# KiCad board backplane.kicad_pcb (continued)
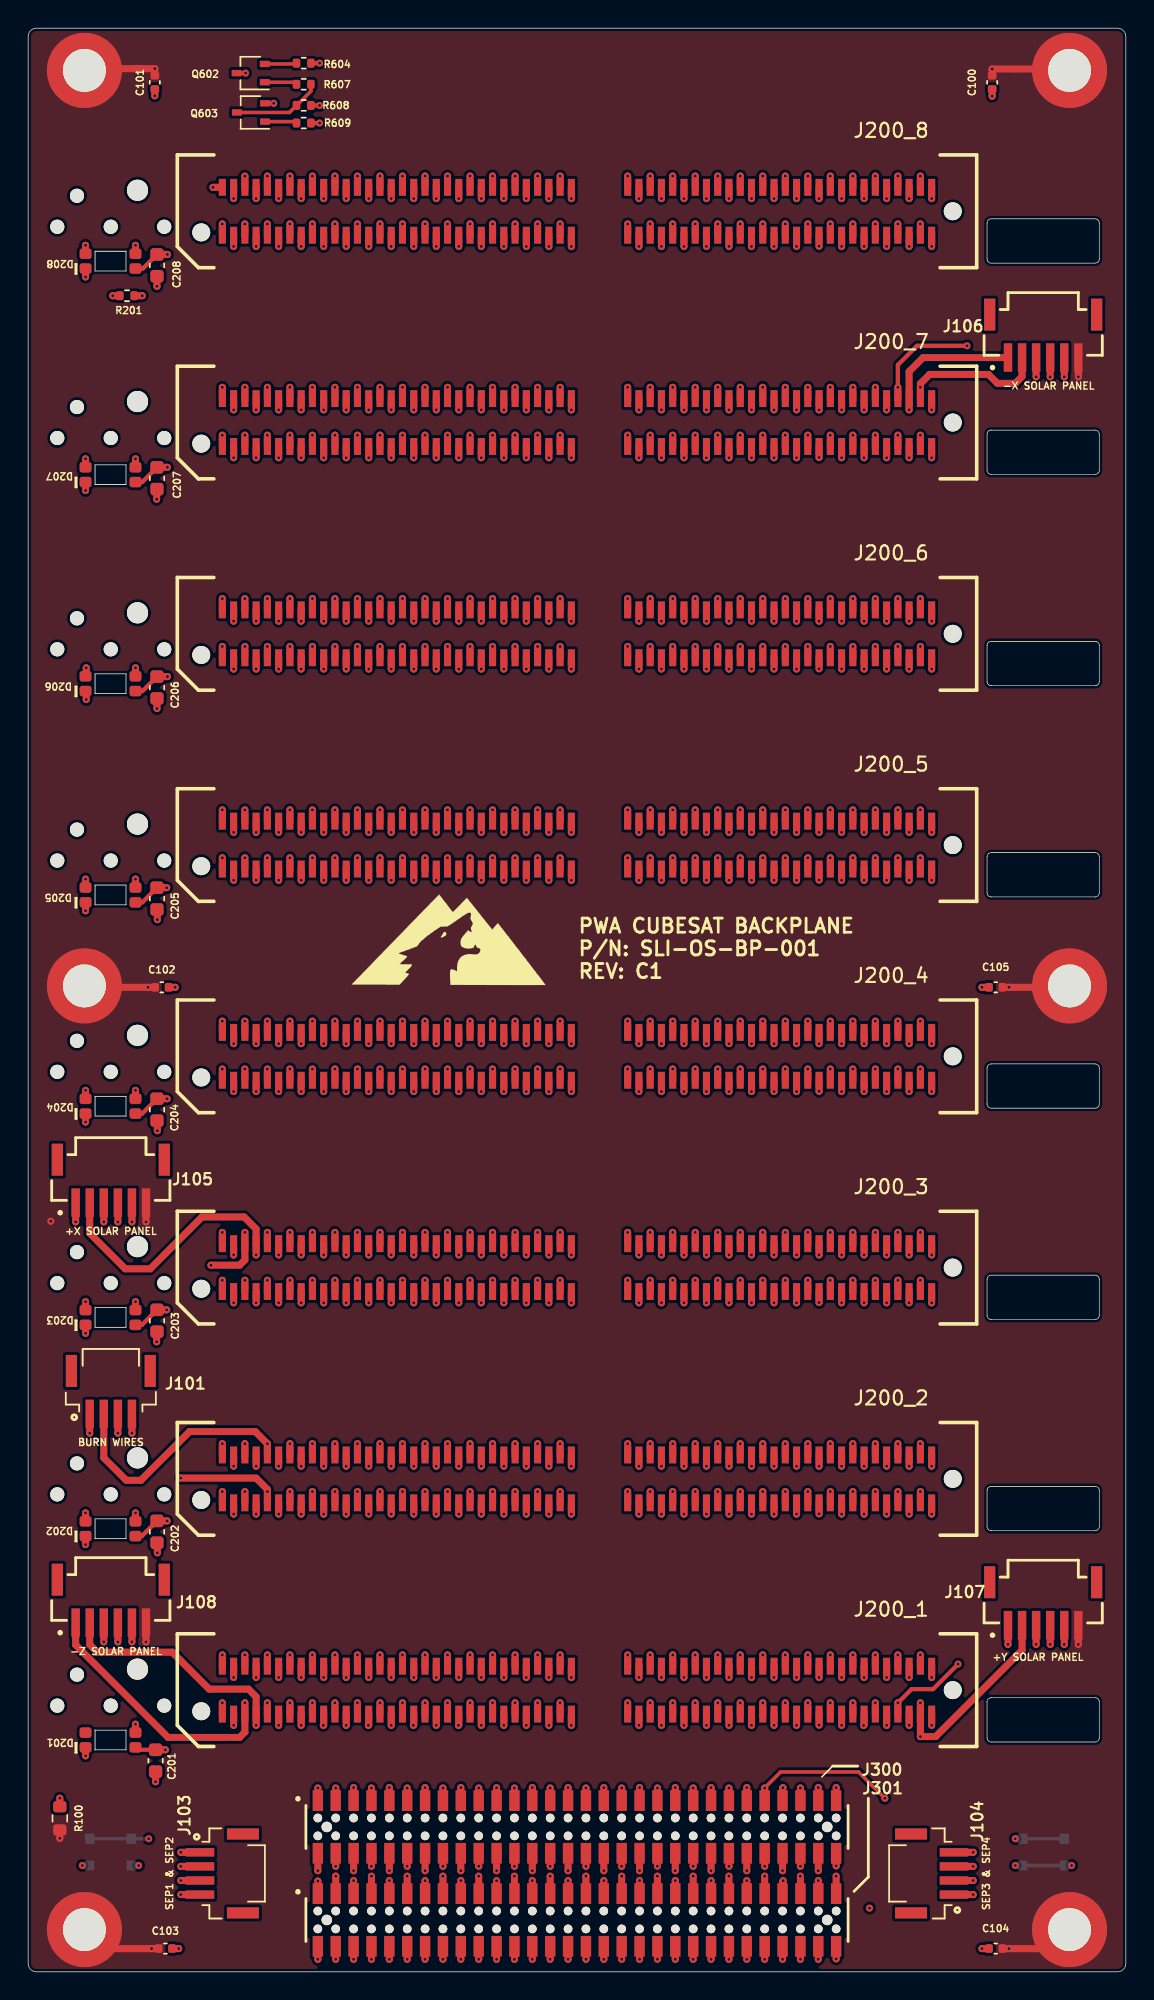
[diagram p0: board, top side]
## Nets (continued)
/H2-50: J200_1.108 J200_2.108 J200_3.108 J200_4.108 J200_5.108 J200_6.108 J200_7.108 J200_8.108 J301.54
/LED Driver/DIN_LED: D208.3 R201.1
/LED Driver/~{enable}: Q603.3 R607.1 R608.2
/RBF: J200_1.37 J200_2.37 J200_3.37 J200_4.37 J200_5.37 J200_6.37 J200_7.37 J200_8.37 J300.19
/SELF_TEST: J200_1.101 J200_2.101 J200_3.101 J200_4.101 J200_5.101 J200_6.101 J200_7.101 J200_8.101 J300.51 SW101.2
/SEP1: J103.1 J200_1.1 J200_2.1 J200_3.1 J200_4.1 J200_5.1 J200_6.1 J200_7.1 J200_8.1 J300.1
/SEP1_RET: J103.2 J200_1.109 J200_2.109 J200_3.109 J200_4.109 J200_5.109 J200_6.109 J200_7.109 J200_8.109 J300.55
/SEP2: J103.3 J200_1.2 J200_2.2 J200_3.2 J200_4.2 J200_5.2 J200_6.2 J200_7.2 J200_8.2 J300.2
/SEP2_RET: J103.4 J200_1.110 J200_2.110 J200_3.110 J200_4.110 J200_5.110 J200_6.110 J200_7.110 J200_8.110 J300.56
/SEP3: J104.1 J200_1.119 J200_2.119 J200_3.119 J200_4.119 J200_5.119 J200_6.119 J200_7.119 J200_8.119 J301.59
/SEP3_RET: J104.2 J200_1.111 J200_2.111 J200_3.111 J200_4.111 J200_5.111 J200_6.111 J200_7.111 J200_8.111 J301.55
/SEP4: J104.3 J200_1.120 J200_2.120 J200_3.120 J200_4.120 J200_5.120 J200_6.120 J200_7.120 J200_8.120 J301.60
/SEP4_RET: J104.4 J200_1.112 J200_2.112 J200_3.112 J200_4.112 J200_5.112 J200_6.112 J200_7.112 J200_8.112 J301.56
/USER_1: J200_1.102 J200_2.102 J200_3.102 J200_4.102 J200_5.102 J200_6.102 J200_7.102 J200_8.102 J300.52 R604.2
/USER_2: J200_1.105 J200_2.105 J200_3.105 J200_4.105 J200_5.105 J200_6.105 J200_7.105 J200_8.105 J300.53
/USER_3: J200_1.106 J200_2.106 J200_3.106 J200_4.106 J200_5.106 J200_6.106 J200_7.106 J200_8.106 J300.54
CHS: C100.2 C101.2 C102.2 C103.2 C104.2 C105.2 J105.6 J106.6 J107.6 J108.6 MH100.1 MH101.1 MH102.1 MH103.1 MH104.1 MH105.1 R100.2
Net-(D201-Pad3): D201.3 D202.2
Net-(D202-Pad3): D202.3 D203.2
Net-(D203-Pad3): D203.3 D204.2
Net-(D204-Pad3): D204.3 D205.2
Net-(D205-Pad3): D205.3 D206.2
Net-(D206-Pad3): D206.3 D207.2
Net-(D207-Pad3): D207.3 D208.2
Net-(Q602-Pad1): Q602.1 R607.2
Net-(Q602-Pad2): Q602.2 R604.1
Net-(Q602-Pad3): Q602.3 R201.2
Net-(Q603-Pad1): Q603.1 R609.2

Pads without a net: D201 2; J101 G1 G2; J103 G1 G2; J104 G1 G2; J105 S1 S2; J106 S1 S2; J107 S1 S2; J108 S1 S2

## Via types
v1: diameter 0.5, hole 0.2, Top to Bottom, 1183 vias

## Routing (per net, layer and track width the routed paths; a pad name or vN(x,y) marks a point on that pad's centre or on a via; arc(x,y) is an arc through that point)
/5V_USB: length 156.7
  Top w0.3: C204.1 8.1,60.94 D204.4 ; R608.1 v1(20.71,132.52) ; C208.1 8.16,120.93 D208.4 ; C205.1 8.11,75.94 D205.4 ; D202.4 8.07,30.94 9.16,32.02 ; D201.4 7.8,15.77 C201.1 ; D203.4 8.09,45.94 C203.1 ; C207.1 8.11,105.77 D207.4 ; R609.1 v1(20.71,131.27) ; C206.1 8.13,90.93 D206.4
  Top w0.5: v1(44.2,127.5) 44.2,126.6 ; v1(44.2,22.5) 44.2,21.6 ; v1(42.17,7.49) 42.17,7.5 J300.36 ; C204.1 v1(9.87,61.99) ; v1(44.2,67.5) 44.2,66.6 ; v1(44.2,37.5) 44.2,36.6 ; 9.18,121.93 v1(9.9,121.93) ; v1(44.2,52.5) 44.2,51.6 ; 9.13,76.98 v1(9.85,76.98) ; 9.18,91.96 v1(9.9,91.96) ; 9.16,32.02 v1(9.87,32.02) ; 9.13,47 v1(9.85,47) ; v1(44.2,97.5) 44.2,96.6 ; 9.03,15.77 v1(9.75,15.77) ; 9.18,106.82 v1(9.9,106.82) ; v1(44.2,82.5) 44.2,81.6 ; v1(44.2,112.5) 44.2,111.6
  In3.Cu w0.25: v1(44.2,22.5) 44.2,19.95 44.78,19.38 44.78,18.67 44.42,18.31 44.42,17.23 41.54,14.35 41.54,8.13 42.17,7.49
  In3.Cu w0.5: v1(44.2,127.5) 44.2,125.5 45,124.65 45,123.67 44.2,122.87 v1(44.2,112.5) 44.2,110.5 45,109.65 45,108.67 44.2,107.87 v1(44.2,97.5) 44.2,95.5 45,94.65 45,93.67 44.2,92.87 v1(44.2,82.5) 44.2,80.5 45,79.65 45,78.67 44.2,77.87 v1(44.2,67.5) 44.2,65.5 45,64.65 45,63.67 44.2,62.87 v1(44.2,52.5) 44.2,50.5 45,49.65 45,48.67 44.2,47.87 v1(44.2,37.5) 44.2,35.5 45,34.65 45,33.67 44.2,32.87 v1(44.2,22.5)
/AGND: length 130.7
  Top w0.5: v1(45,122.5) 45,123.4 ; v1(45,17.5) 45,18.4 ; v1(45,92.5) 45,93.4 ; v1(45,107.5) 45,108.4 ; v1(45,62.5) 45,63.4 ; J301.35 42.17,6.79 ; v1(45,77.5) 45,78.4 ; v1(45,32.5) 45,33.4 ; v1(45,47.5) 45,48.4
  In4.Cu w0.25: v1(42.17,6.79) 41.82,6.79 41.54,7.07 41.54,14.04 v1(45,17.5)
  In4.Cu w0.5: v1(45,17.5) 45,19.47 44.2,20.28 44.2,21.3 45,22.1 v1(45,32.5) 45,34.47 44.2,35.28 44.2,36.3 45,37.1 45,47.5 ; v1(45,47.5) 45,49.48 44.2,50.28 44.2,51.3 45,52.1 v1(45,62.5) 45,64.48 44.2,65.28 44.2,66.3 45,67.1 v1(45,77.5) 45,79.48 44.2,80.28 44.2,81.3 45,82.1 v1(45,92.5) 45,94.48 44.2,95.28 44.2,96.3 45,97.1 v1(45,107.5) 45,109.48 44.2,110.28 44.2,111.3 45,112.1 v1(45,122.5)
GND: length 719.3
  Top w0.3: Q603.2 v1(17.45,132.67)
  Top w0.5: v1(45,20.9) 45,21.8 ; v1(57.8,17.5) 57.8,18.4 ; v1(57.8,20.9) 57.8,21.8 ; v1(43.4,20.9) 43.4,21.8 ; v1(43.4,17.5) 43.4,18.4 ; J301.33 v1(40.91,6.48) ; J301.36 v1(42.17,0.89) ; J301.52 v1(52.33,0.89) ; v1(43.4,47.5) 43.4,48.4 ; 9.18,30.47 v1(9.18,29.75) ; v1(43.4,65.9) 43.4,66.8 ; v1(10.7,1.65) C103.1 ; J106.4 v1(72.62,113.25) ; v1(67.77,1.65) C104.1 ; 9.18,75.43 v1(9.18,74.71) ; J106.5 v1(73.62,113.25) ; v1(43.4,80.9) 43.4,81.8 ; D203.1 v1(4.08,45.34) ; v1(45,110.9) 45,111.8 ; C206.2 v1(9.16,89.7) ; v1(57.8,110.9) 57.8,111.8 ; v1(43.4,125.9) 43.4,126.8 ; D201.1 v1(4.08,15.34) ; D204.1 v1(4.08,60.34) ; J108.5 v1(7.38,23.43) ; D205.1 v1(4.08,75.34) ; v1(43.4,110.9) 43.4,111.8 ; v1(67.77,69.9) C105.1 ; v1(57.8,107.5) 57.8,108.4 ; v1(45,80.9) 45,81.8 ; v1(57.8,50.9) 57.8,51.8 ; v1(43.4,107.5) 43.4,108.4 ; C208.2 v1(9.16,119.67) ; v1(57.8,62.5) 57.8,63.4 ; v1(2.25,12.33) R100.1 ; v1(68.5,133.17) C100.1 ; J107.4 v1(72.62,23.25) ; v1(43.4,62.5) 43.4,63.4 ; v1(57.8,122.5) 57.8,123.4 ; J105.5 v1(7.38,53.25) ; v1(45,50.9) 45,51.8 ; v1(57.8,92.5) 57.8,93.4 ; 9.13,105.27 v1(9.13,104.55) ; v1(57.8,95.9) 57.8,96.8 ; v1(45,35.9) 45,36.8 ; v1(43.4,32.5) 43.4,33.4 ; v1(9,133.2) C101.1 ; v1(43.4,95.9) 43.4,96.8 ; J108.4 v1(6.38,23.43) ; v1(43.4,92.5) 43.4,93.4 ; J101.4 v1(7.38,38.25) ; J301.34 v1(40.91,0.89) ; 9.18,60.44 v1(9.18,59.72) ; J101.3 v1(6.38,38.25) ; v1(43.4,77.5) 43.4,78.4 ; D208.1 v1(4.08,120.34) ; J107.5 v1(73.62,23.25) ; J301.51 52.33,6.79 ; v1(57.8,47.5) 57.8,48.4 ; v1(43.4,122.5) 43.4,123.4 ; v1(57.8,77.5) 57.8,78.4 ; D202.1 v1(4.08,30.34) ; C201.2 v1(9.06,13.5) ; v1(45,95.9) 45,96.8 ; 4.13,90.93 v1(4.13,90.34) ; v1(57.8,35.9) 57.8,36.8 ; v1(43.4,50.9) 43.4,51.8 ; v1(57.8,80.9) 57.8,81.8 ; 9.13,45.45 v1(9.13,44.74) ; D207.1 v1(4.08,105.18) ; v1(45,65.9) 45,66.8 ; v1(43.4,35.9) 43.4,36.8 ; J105.4 v1(6.38,53.25) ; v1(10.45,69.9) C102.1 ; v1(57.8,65.9) 57.8,66.8 ; v1(57.8,32.5) 57.8,33.4 ; v1(57.8,125.9) 57.8,126.8 ; v1(45,125.9) 45,126.8
  In2.Cu w0.25: v1(43.4,20.9) 43.4,18.94 40.27,15.81 40.27,11.68 ; v1(57.8,20.9) 57.8,18.94 56.91,18.05 56.91,17.37 56.01,16.47 54.9,16.47 51.7,13.27 51.7,1.52 v1(52.33,0.89) ; 41.54,11.69 41.54,14.48 44.42,17.36 44.42,18.12 45,18.7 v1(45,20.9) ; 41.54,11.69 41.54,12.99 ; 41.54,11.69 41.54,1.52 v1(42.17,0.89) ; 40.27,11.68 40.27,1.52 v1(40.91,0.89) ; 40.27,11.68 40.27,12.99
  In2.Cu w0.5: v1(45,125.9) 45,123.68 44.2,122.87 44.2,122.3 45,121.5 v1(45,110.9) ; v1(43.4,125.9) 43.4,123.68 42.6,122.87 42.6,122.3 43.4,121.5 v1(43.4,110.9) ; v1(57.8,125.9) 57.8,123.68 57,122.87 57,122.3 57.8,121.5 v1(57.8,110.9) ; 57.8,110.9 57.8,108.68 57,107.87 57,107.3 57.8,106.5 v1(57.8,95.9) 57.8,93.68 57,92.87 57,92.3 57.8,91.5 v1(57.8,80.9) 57.8,78.68 57,77.87 57,77.3 57.8,76.5 v1(57.8,65.9) 57.8,63.68 57,62.87 57,62.3 57.8,61.5 v1(57.8,50.9) 57.8,48.68 57,47.87 57,47.3 57.8,46.5 v1(57.8,35.9) 57.8,33.68 57,32.87 57,32.3 57.8,31.5 v1(57.8,20.9) ; 45,110.9 45,108.68 44.2,107.87 44.2,107.3 45,106.5 v1(45,95.9) 45,93.68 44.2,92.87 44.2,92.3 45,91.5 v1(45,80.9) 45,78.68 44.2,77.87 44.2,77.3 45,76.5 v1(45,65.9) 45,63.68 44.2,62.87 44.2,62.3 45,61.5 v1(45,50.9) 45,48.68 44.2,47.87 44.2,47.3 45,46.5 v1(45,35.9) 45,33.68 44.2,32.87 44.2,32.3 45,31.5 v1(45,20.9) ; 43.4,110.9 43.4,108.68 42.6,107.87 42.6,107.3 43.4,106.5 v1(43.4,95.9) 43.4,93.68 42.6,92.87 42.6,92.3 43.4,91.5 v1(43.4,80.9) 43.4,78.68 42.6,77.87 42.6,77.3 43.4,76.5 v1(43.4,65.9) 43.4,63.68 42.6,62.87 42.6,62.3 43.4,61.5 v1(43.4,50.9) 43.4,48.68 42.6,47.87 42.6,47.3 43.4,46.5 v1(43.4,35.9) 43.4,33.68 42.6,32.87 42.6,32.3 43.4,31.5 v1(43.4,20.9)
  In4.Cu w0.25: v1(52.33,6.79) 51.98,6.79 51.7,7.07 51.7,13.27 53.99,15.56 55.86,15.56 v1(57.8,17.5) ; v1(40.91,6.48) 40.55,6.48 40.27,6.76 40.27,14.37 v1(43.4,17.5)
  In4.Cu w0.5: v1(43.4,17.5) 43.4,19.47 42.6,20.28 42.6,21.3 43.4,22.1 v1(43.4,32.5) 43.4,34.47 42.6,35.28 42.6,36.3 43.4,37.1 43.4,47.5 ; v1(57.8,17.5) 57.8,19.47 57,20.28 57,21.3 57.8,22.1 v1(57.8,32.5) 57.8,34.47 57,35.28 57,36.3 57.8,37.1 57.8,47.5 ; v1(43.4,47.5) 43.4,49.48 42.6,50.28 42.6,51.3 43.4,52.1 v1(43.4,62.5) 43.4,64.48 42.6,65.28 42.6,66.3 43.4,67.1 v1(43.4,77.5) 43.4,79.48 42.6,80.28 42.6,81.3 43.4,82.1 v1(43.4,92.5) 43.4,94.48 42.6,95.28 42.6,96.3 43.4,97.1 v1(43.4,107.5) 43.4,109.48 42.6,110.28 42.6,111.3 43.4,112.1 v1(43.4,122.5) ; v1(57.8,122.5) 57.8,112.1 57,111.3 57,110.28 57.8,109.48 v1(57.8,107.5) 57.8,97.1 57,96.3 57,95.28 57.8,94.48 v1(57.8,92.5) 57.8,82.1 57,81.3 57,80.28 57.8,79.48 v1(57.8,77.5) 57.8,67.1 57,66.3 57,65.28 57.8,64.48 v1(57.8,62.5) 57.8,52.1 57,51.3 57,50.28 57.8,49.48 v1(57.8,47.5)
  Bottom w0.25: SW101.1 SW101.1
  Bottom w0.5: v1(74.15,7.55) SW101.1 ; v1(70.15,7.55) SW101.1 ; v1(3.85,7.55) SW100.1 ; v1(7.85,7.55) SW100.1
/+X_SOLAR_PWR: length 158.3
  Top w0.5: v1(16.2,125.9) 16.2,126.8 ; v1(16.2,20.9) 16.2,21.8 ; J301.4 v1(21.86,0.89) ; v1(16.2,110.9) 16.2,111.8 ; v1(16.2,95.9) 16.2,96.8 ; J200_3.8 16.2,52.74 15.34,53.6 12.36,53.6 8.67,49.92 6.9,49.92 4.38,52.44 J105.2 ; v1(16.2,50.9) 16.2,51.8 ; v1(16.2,80.9) 16.2,81.8 ; v1(16.2,35.9) 16.2,36.8 ; v1(16.2,65.9) 16.2,66.8
  In2.Cu w0.25: v1(16.2,20.9) 16.2,18.94 16.78,18.36 16.78,17.67 19.57,14.88 19.57,2.82 21.5,0.89 v1(21.86,0.89)
  In2.Cu w0.5: v1(16.2,125.9) 16.2,123.68 15.4,122.87 15.4,122.3 16.2,121.5 v1(16.2,110.9) ; 16.2,110.9 16.2,108.68 15.4,107.87 15.4,107.3 16.2,106.5 v1(16.2,95.9) 16.2,93.68 15.4,92.87 15.4,92.3 16.2,91.5 v1(16.2,80.9) 16.2,78.68 15.4,77.87 15.4,77.3 16.2,76.5 v1(16.2,65.9) 16.2,63.68 15.4,62.87 15.4,62.3 16.2,61.5 v1(16.2,50.9) 16.2,48.68 15.4,47.87 15.4,47.3 16.2,46.5 v1(16.2,35.9) 16.2,33.68 15.4,32.87 15.4,32.3 16.2,31.5 v1(16.2,20.9)
/+X_SOLAR_RTN: length 151.5
  Top w0.5: v1(15.4,37.5) 15.4,36.6 ; J300.4 v1(21.86,7.49) ; 15.4,126.6 v1(15.4,127.49) ; v1(15.4,22.5) 15.4,21.6 ; v1(15.4,67.5) 15.4,66.6 ; v1(15.4,52.5) 15.4,51.6 ; v1(15.4,82.5) 15.4,81.6 ; J200_3.6 15.4,50.55 15.03,50.17 v1(12.99,50.17) ; J105.1 v1(3.38,53.25) ; v1(15.4,112.5) 15.4,111.6 ; v1(15.4,97.5) 15.4,96.6
  In2.Cu w0.5: v1(3.38,53.25) 6.45,50.17 v1(12.99,50.17)
  In3.Cu w0.25: v1(15.4,22.5) 15.4,19.95 15.98,19.38 15.98,18.58 17.03,17.53 17.03,16.7 19.8,13.92 19.8,9.19 21.5,7.49 v1(21.86,7.49)
  In3.Cu w0.5: v1(15.4,127.49) 15.4,125.45 16.2,124.65 16.2,123.67 15.4,122.87 v1(15.4,112.5) 15.4,110.5 16.2,109.65 16.2,108.67 15.4,107.87 v1(15.4,97.5) 15.4,95.5 16.2,94.65 16.2,93.67 15.4,92.87 v1(15.4,82.5) 15.4,80.5 16.2,79.65 16.2,78.67 15.4,77.87 v1(15.4,67.5) 15.4,65.5 16.2,64.65 16.2,63.67 15.4,62.87 v1(15.4,52.5) 15.4,50.5 16.2,49.65 16.2,48.67 15.4,47.87 v1(15.4,37.5) 15.4,35.5 16.2,34.65 16.2,33.67 15.4,32.87 v1(15.4,22.5)
/+X_SOLAR_TLE: length 152.4
  Top w0.5: v1(14.6,125.9) 14.6,126.8 ; v1(14.6,20.9) 14.6,21.8 ; 20.58,1.81 v1(20.58,0.89) ; v1(14.6,95.9) 14.6,96.8 ; v1(14.6,50.9) 14.6,51.8 ; v1(14.6,35.9) 14.6,36.8 ; v1(14.6,65.9) 14.6,66.8 ; v1(14.6,80.9) 14.6,81.8 ; v1(14.6,110.9) 14.6,111.8 ; J105.3 v1(5.38,53.25)
  In2.Cu w0.25: v1(20.58,0.89) 19.06,2.41 19.06,13.78 15.5,17.34 15.5,18.03 14.6,18.94 v1(14.6,20.9)
  In2.Cu w0.3: v1(14.6,50.9) 12.64,50.9 9.56,53.98 6.11,53.98 v1(5.38,53.25)
  In2.Cu w0.5: v1(14.6,125.9) 14.6,123.68 13.8,122.87 13.8,122.3 14.6,121.5 v1(14.6,110.9) ; 14.6,110.9 14.6,108.68 13.8,107.87 13.8,107.3 14.6,106.5 v1(14.6,95.9) 14.6,93.68 13.8,92.87 13.8,92.3 14.6,91.5 v1(14.6,80.9) 14.6,78.68 13.8,77.87 13.8,77.3 14.6,76.5 v1(14.6,65.9) 14.6,63.68 13.8,62.87 13.8,62.3 14.6,61.5 v1(14.6,50.9) 14.6,48.68 13.8,47.87 13.8,47.3 14.6,46.5 v1(14.6,35.9) 14.6,33.68 13.8,32.87 13.8,32.3 14.6,31.5 v1(14.6,20.9)
/+Y_SOLAR_PWR: length 138.4
  Top w0.5: v1(63.4,124.1) 63.4,123.2 ; v1(63.4,19.1) 63.4,18.2 ; 57.42,12.16 v1(57.42,13.08) ; J107.2 70.62,22.84 64.49,16.7 v1(63.4,16.7) J200_1.117 ; v1(63.4,49.1) 63.4,48.2 ; v1(63.4,109.1) 63.4,108.2 ; v1(63.4,94.1) 63.4,93.2 ; v1(63.4,79.1) 63.4,78.2 ; v1(63.4,64.1) 63.4,63.2 ; v1(63.4,34.1) 63.4,33.2
  In1.Cu w0.25: v1(57.42,13.08) 58.43,13.08 62.05,16.7 v1(63.4,16.7)
  In1.Cu w0.5: 64.2,46.5 64.2,37.1 63.4,36.3 v1(63.4,34.1) 63.4,32.3 64.2,31.5 64.2,22.1 63.4,21.3 v1(63.4,19.1) ; 64.2,46.5 63.4,47.3 v1(63.4,49.1) 63.4,51.3 64.2,52.1 64.2,61.5 63.4,62.3 v1(63.4,64.1) 63.4,66.3 64.2,67.1 64.2,76.5 63.4,77.3 v1(63.4,79.1) 63.4,81.3 64.2,82.1 64.2,91.5 63.4,92.3 v1(63.4,94.1) 63.4,96.3 64.2,97.1 64.2,106.5 63.4,107.3 v1(63.4,109.1) 63.4,111.3 64.2,112.1 64.2,121.5 63.4,122.3 v1(63.4,124.1)
/+Y_SOLAR_RTN: length 145.3
  Top w0.5: v1(62.6,122.5) 62.6,123.4 ; v1(62.6,17.5) 62.6,18.4 ; J301.57 v1(56.14,6.48) ; J107.1 v1(69.62,23.25) ; v1(62.6,77.5) 62.6,78.4 ; v1(62.6,92.5) 62.6,93.4 ; v1(62.6,47.5) 62.6,48.4 ; v1(62.6,107.5) 62.6,108.4 ; v1(62.6,32.5) 62.6,33.4 ; v1(62.6,62.5) 62.6,63.4
  In1.Cu w0.5: v1(62.6,17.5) 63.49,18.4 65.93,18.4 69.62,22.09 v1(69.62,23.25)
  In4.Cu w0.25: v1(62.6,17.5) 61.82,17.5 58.16,13.84 56.05,13.84 55.51,13.3 55.51,6.76 55.79,6.48 v1(56.14,6.48)
  In4.Cu w0.5: v1(62.6,122.5) 62.6,112.1 61.8,111.3 61.8,110.28 62.6,109.48 v1(62.6,107.5) 62.6,97.1 61.8,96.3 61.8,95.28 62.6,94.48 v1(62.6,92.5) 62.6,82.1 61.8,81.3 61.8,80.28 62.6,79.48 v1(62.6,77.5) 62.6,67.1 61.8,66.3 61.8,65.28 62.6,64.48 v1(62.6,62.5) 62.6,52.1 61.8,51.3 61.8,50.28 62.6,49.48 v1(62.6,47.5) ; v1(62.6,17.5) 62.6,19.47 61.8,20.28 61.8,21.3 62.6,22.1 v1(62.6,32.5) 62.6,34.47 61.8,35.28 61.8,36.3 62.6,37.1 62.6,47.5
/+Y_SOLAR_TLE: length 140.3
  Top w0.3: v1(61.8,19.1) 62.77,20.07 64.3,20.07 v1(66.08,21.85)
  Top w0.5: v1(61.8,124.1) 61.8,123.2 ; v1(61.8,19.1) 61.8,18.2 ; J300.57 v1(56.14,13.08) ; v1(61.8,34.1) 61.8,33.2 ; v1(61.8,79.1) 61.8,78.2 ; v1(61.8,109.1) 61.8,108.2 ; v1(61.8,49.1) 61.8,48.2 ; J107.3 v1(71.62,23.25) ; v1(61.8,64.1) 61.8,63.2 ; v1(61.8,94.1) 61.8,93.2
  In1.Cu w0.25: v1(61.8,19.1) 61.8,17.45 59.46,15.1 58.17,15.1 v1(56.14,13.08)
  In1.Cu w0.3: v1(71.62,23.25) 70.97,23.9 68.13,23.9 v1(66.08,21.85)
  In1.Cu w0.5: v1(61.8,124.1) 61.8,122.3 62.6,121.5 62.6,112.1 61.8,111.3 v1(61.8,109.1) 61.8,107.3 62.6,106.5 62.6,97.1 61.8,96.3 v1(61.8,94.1) 61.8,92.3 62.6,91.5 62.6,82.1 61.8,81.3 v1(61.8,79.1) 61.8,77.3 62.6,76.5 62.6,67.1 61.8,66.3 v1(61.8,64.1) 61.8,62.3 62.6,61.5 62.6,52.1 61.8,51.3 v1(61.8,49.1) 61.8,47.3 62.6,46.5 ; v1(61.8,19.1) 61.8,21.3 62.6,22.1 62.6,31.5 61.8,32.3 v1(61.8,34.1) 61.8,36.3 62.6,37.1 62.6,46.5
/-X_SOLAR_PWR: length 146.4
  Top w0.5: v1(63.4,22.5) 63.4,21.6 ; 57.42,8.42 v1(57.42,7.53) ; v1(63.4,52.5) 63.4,51.6 ; v1(63.4,82.5) 63.4,81.6 ; v1(63.4,97.5) 63.4,96.6 ; v1(63.4,67.5) 63.4,66.6 ; v1(63.4,37.5) 63.4,36.6 ; J106.2 70.62,113.26 70.14,112.78 68.87,112.78 68.24,113.42 64.06,113.42 63.4,112.76 v1(63.4,112.5) 63.4,111.6 ; v1(63.4,127.5) 63.4,126.6
  In3.Cu w0.25: v1(57.42,7.53) 57.42,7.88 58.65,9.11 58.65,12.16 62.43,15.94 63.49,15.94 64.78,17.22 64.78,18.58 63.4,19.95 v1(63.4,22.5)
  In3.Cu w0.5: v1(63.4,22.5) 63.4,32.87 64.2,33.67 64.2,34.65 63.4,35.5 v1(63.4,37.5) 63.4,47.87 64.2,48.67 64.2,49.65 63.4,50.5 v1(63.4,52.5) 63.4,62.87 64.2,63.67 64.2,64.65 63.4,65.5 v1(63.4,67.5) 63.4,77.87 64.2,78.67 64.2,79.65 63.4,80.5 v1(63.4,82.5) 63.4,92.87 64.2,93.67 64.2,94.65 63.4,95.5 v1(63.4,97.5) 63.4,107.87 64.2,108.67 64.2,109.65 63.4,110.5 v1(63.4,112.5) 63.4,122.87 64.2,123.67 64.2,124.65 63.4,125.5 v1(63.4,127.5)
/-X_SOLAR_RTN: length 151.6
  Top w0.5: v1(62.6,20.9) 62.6,21.8 ; J301.58 v1(56.14,0.89) ; v1(62.6,50.9) 62.6,51.8 ; v1(62.6,125.9) 62.6,126.8 ; v1(62.6,110.9) 62.6,113.62 63.59,114.61 J106.1 ; v1(62.6,65.9) 62.6,66.8 ; v1(62.6,35.9) 62.6,36.8 ; v1(62.6,80.9) 62.6,81.8 ; v1(62.6,95.9) 62.6,96.8
  In2.Cu w0.25: v1(62.6,20.9) 62.6,18.94 62.02,18.36 62.02,17.43 58.94,14.35 56.56,14.35 55.51,13.3 55.51,1.52 v1(56.14,0.89)
  In2.Cu w0.5: v1(62.6,125.9) 62.6,123.68 61.8,122.87 61.8,122.3 62.6,121.5 v1(62.6,110.9) ; 62.6,110.9 62.6,108.68 61.8,107.87 61.8,107.3 62.6,106.5 v1(62.6,95.9) 62.6,93.68 61.8,92.87 61.8,92.3 62.6,91.5 v1(62.6,80.9) 62.6,78.68 61.8,77.87 61.8,77.3 62.6,76.5 v1(62.6,65.9) 62.6,63.68 61.8,62.87 61.8,62.3 62.6,61.5 v1(62.6,50.9) 62.6,48.68 61.8,47.87 61.8,47.3 62.6,46.5 v1(62.6,35.9) 62.6,33.68 61.8,32.87 61.8,32.3 62.6,31.5 v1(62.6,20.9)
/-X_SOLAR_TLE: length 152.4
  Top w0.3: v1(61.8,112.5) 61.8,114.09 63.16,115.45 v1(66.71,115.45)
  Top w0.5: v1(61.8,22.5) 61.8,21.6 ; J300.58 v1(56.14,7.18) ; v1(61.8,37.5) 61.8,36.6 ; v1(61.8,52.5) 61.8,51.6 ; J106.3 v1(71.62,113.25) ; v1(61.8,127.5) 61.8,126.6 ; v1(61.8,82.5) 61.8,81.6 ; v1(61.8,112.5) 61.8,111.6 ; v1(61.8,67.5) 61.8,66.6 ; v1(61.8,97.5) 61.8,96.6
  In1.Cu w0.3: v1(71.62,113.25) 69.42,115.45 v1(66.71,115.45)
  In3.Cu w0.25: v1(56.14,7.18) 55.51,7.81 55.51,13.3 56.64,14.43 59.28,14.43 62.02,17.17 62.02,18.26 62.38,18.62 62.38,19.38 61.8,19.95 v1(61.8,22.5)
  In3.Cu w0.5: v1(61.8,22.5) 61.8,32.87 62.6,33.67 62.6,34.65 61.8,35.5 v1(61.8,37.5) 61.8,47.87 62.6,48.67 62.6,49.65 61.8,50.5 v1(61.8,52.5) 61.8,62.87 62.6,63.67 62.6,64.65 61.8,65.5 v1(61.8,67.5) 61.8,77.87 62.6,78.67 62.6,79.65 61.8,80.5 v1(61.8,82.5) 61.8,92.87 62.6,93.67 62.6,94.65 61.8,95.5 v1(61.8,97.5) 61.8,107.87 62.6,108.67 62.6,109.65 61.8,110.5 v1(61.8,112.5) 61.8,122.87 62.6,123.67 62.6,124.65 61.8,125.5 v1(61.8,127.5)
/-Z_SOLAR_PWR: length 147.1
  Top w0.5: v1(16.2,17.5) J200_1.7 16.2,19.53 15.66,20.07 12.87,20.07 10.24,22.69 4.91,22.69 4.38,23.23 J108.2 ; v1(16.2,47.5) J200_3.7 ; v1(16.2,122.5) J200_8.7 ; v1(16.2,32.5) J200_2.7 ; J301.3 21.86,6.79 v1(21.85,6.79) ; v1(16.2,92.5) J200_6.7 ; v1(16.2,62.5) J200_4.7 ; v1(16.2,107.5) J200_7.7 ; v1(16.2,77.5) J200_5.7
  In4.Cu w0.25: v1(21.85,6.79) 21.5,6.79 21.16,7.13 21.16,7.8 19.67,9.29 19.67,14.81 16.98,17.5 v1(16.2,17.5)
  In4.Cu w0.5: v1(16.2,122.5) 16.2,112.1 15.4,111.3 15.4,110.28 16.2,109.48 v1(16.2,107.5) 16.2,97.1 15.4,96.3 15.4,95.28 16.2,94.48 v1(16.2,92.5) 16.2,82.1 15.4,81.3 15.4,80.28 16.2,79.48 v1(16.2,77.5) 16.2,67.1 15.4,66.3 15.4,65.28 16.2,64.48 v1(16.2,62.5) 16.2,52.1 15.4,51.3 15.4,50.28 16.2,49.48 v1(16.2,47.5) ; v1(16.2,17.5) 16.2,19.47 15.4,20.28 15.4,21.3 16.2,22.1 v1(16.2,32.5) 16.2,34.47 15.4,35.28 15.4,36.3 16.2,37.1 16.2,47.5
/-Z_SOLAR_RTN: length 144.9
  Top w0.5: v1(15.4,19.1) J200_1.5 15.4,17.02 15.03,16.64 9.94,16.64 3.38,23.21 J108.1 ; J300.3 v1(21.86,13.05) ; v1(15.4,124.1) J200_8.5 ; v1(15.4,34.1) J200_2.5 ; v1(15.4,79.1) J200_5.5 ; v1(15.4,64.1) J200_4.5 ; v1(15.4,109.1) J200_7.5 ; v1(15.4,94.1) J200_6.5 ; v1(15.4,49.1) J200_3.5
  In1.Cu w0.25: v1(21.86,13.05) 21.28,13.63 18.77,13.63 15.4,17 v1(15.4,19.1)
  In1.Cu w0.5: 16.2,46.5 16.2,37.1 15.4,36.3 v1(15.4,34.1) 15.4,32.3 16.2,31.5 16.2,22.1 15.4,21.3 v1(15.4,19.1) ; 16.2,46.5 15.4,47.3 v1(15.4,49.1) 15.4,51.3 16.2,52.1 16.2,61.5 15.4,62.3 v1(15.4,64.1) 15.4,66.3 16.2,67.1 16.2,76.5 15.4,77.3 v1(15.4,79.1) 15.4,81.3 16.2,82.1 16.2,91.5 15.4,92.3 v1(15.4,94.1) 15.4,96.3 16.2,97.1 16.2,106.5 15.4,107.3 v1(15.4,109.1) 15.4,111.3 16.2,112.1 16.2,121.5 15.4,122.3 v1(15.4,124.1)
/-Z_SOLAR_TLE: length 145.6
  Top w0.5: v1(14.6,122.5) 14.6,123.4 ; v1(14.6,17.5) 14.6,18.4 ; 20.58,5.55 v1(20.58,6.44) ; v1(14.6,107.5) 14.6,108.4 ; v1(14.6,92.5) 14.6,93.4 ; v1(14.6,62.5) 14.6,63.4 ; v1(14.6,47.5) 14.6,48.4 ; v1(14.6,77.5) 14.6,78.4 ; v1(14.6,32.5) 14.6,33.4 ; J108.3 v1(5.38,23.43)
  In2.Cu w0.3: v1(5.38,23.43) 5.38,21.47 9.34,17.5 v1(14.6,17.5)
  In4.Cu w0.25: v1(20.58,6.44) 20.23,6.44 19.22,7.46 19.22,12.88 v1(14.6,17.5)
  In4.Cu w0.5: v1(14.6,122.5) 14.6,112.1 13.8,111.3 13.8,110.28 14.6,109.48 v1(14.6,107.5) 14.6,97.1 13.8,96.3 13.8,95.28 14.6,94.48 v1(14.6,92.5) 14.6,82.1 13.8,81.3 13.8,80.28 14.6,79.48 v1(14.6,77.5) 14.6,67.1 13.8,66.3 13.8,65.28 14.6,64.48 v1(14.6,62.5) 14.6,52.1 13.8,51.3 13.8,50.28 14.6,49.48 v1(14.6,47.5) ; v1(14.6,17.5) 14.6,19.47 13.8,20.28 13.8,21.3 14.6,22.1 v1(14.6,32.5) 14.6,34.47 13.8,35.28 13.8,36.3 14.6,37.1 14.6,47.5
/BUS_RESET: length 162.5
  Top w0.5: v1(42.6,19.1) 42.6,18.2 ; J300.33 v1(40.91,13.08) ; v1(42.6,49.1) 42.6,48.2 ; v1(42.6,64.1) 42.6,63.2 ; v1(42.6,94.1) 42.6,93.2 ; v1(42.6,34.1) 42.6,33.2 ; v1(42.6,79.1) 42.6,78.2 ; v1(42.6,109.1) 42.6,108.2 ; v1(42.6,124.1) 42.6,123.2
  In1.Cu w0.25: v1(8.57,9.45) 11.44,12.32 40.14,12.32 v1(40.91,13.08) 42.6,14.78 v1(42.6,19.1)
  In1.Cu w0.5: 43.4,46.5 43.4,37.1 42.6,36.3 v1(42.6,34.1) 42.6,32.3 43.4,31.5 43.4,22.1 42.6,21.3 v1(42.6,19.1) ; v1(42.6,124.1) 42.6,122.3 43.4,121.5 43.4,112.1 42.6,111.3 v1(42.6,109.1) 42.6,107.3 43.4,106.5 43.4,97.1 42.6,96.3 v1(42.6,94.1) 42.6,92.3 43.4,91.5 43.4,82.1 42.6,81.3 v1(42.6,79.1) 42.6,77.3 43.4,76.5 43.4,67.1 42.6,66.3 v1(42.6,64.1) 42.6,62.3 43.4,61.5 43.4,52.1 42.6,51.3 v1(42.6,49.1) 42.6,47.3 43.4,46.5
  Bottom w0.25: SW100.2 SW100.2 v1(8.57,9.45)
/H1-1: length 143.8
  Top w0.5: v1(17,124.1) 17,123.2 ; v1(17,19.1) 17,18.2 ; v1(17,109.1) 17,108.2 ; 17,33.2 v1(17,34.1) 17,34.26 16.2,35.06 v1(10.83,35.06) ; v1(17,49.1) 17,48.2 ; v1(17,94.1) 17,93.2 ; J101.1 v1(4.38,38.25) ; v1(17,79.1) 17,78.2 ; v1(17,64.1) 17,63.2 ; J300.5 v1(23.12,13.08)
  In1.Cu w0.25: v1(23.12,13.08) 22.13,14.08 20.36,14.08 17,17.45 v1(17,19.1)
  In1.Cu w0.5: 17.8,46.5 17.8,37.1 17,36.3 v1(17,34.1) 17,32.3 17.8,31.5 17.8,22.1 17,21.3 v1(17,19.1) ; v1(17,124.1) 17,122.3 17.8,121.5 17.8,112.1 17,111.3 v1(17,109.1) 17,107.3 17.8,106.5 17.8,97.1 17,96.3 v1(17,94.1) 17,92.3 17.8,91.5 17.8,82.1 17,81.3 v1(17,79.1) 17,77.3 17.8,76.5 17.8,67.1 17,66.3 v1(17,64.1) 17,62.3 17.8,61.5 17.8,52.1 17,51.3 v1(17,49.1) 17,47.3 17.8,46.5
  In2.Cu w0.5: v1(4.38,38.25) 4.38,37.2 6.52,35.06 v1(10.83,35.06)
/H1-2: length 153
  Top w0.5: v1(17,22.5) 17,21.6 ; J300.6 v1(23.12,7.18) ; v1(17,67.5) 17,66.6 ; J101.2 5.38,36.5 6.97,34.9 8.01,34.9 11.47,38.36 16.14,38.36 v1(17,37.5) 17,36.6 ; v1(17,97.5) 17,96.6 ; v1(17,127.5) 17,126.6 ; v1(17,82.5) 17,81.6 ; v1(17,112.5) 17,111.6 ; v1(17,52.5) 17,51.6
  In3.Cu w0.25: v1(17,22.5) 17,19.95 17.58,19.38 17.58,18.82 18.38,18.02 18.38,17.51 22.49,13.4 22.49,7.81 v1(23.12,7.18)
  In3.Cu w0.5: v1(17,22.5) 17,32.87 17.8,33.67 17.8,34.65 17,35.5 v1(17,37.5) 17,47.87 17.8,48.67 17.8,49.65 17,50.5 v1(17,52.5) 17,62.87 17.8,63.67 17.8,64.65 17,65.5 v1(17,67.5) 17,77.87 17.8,78.67 17.8,79.65 17,80.5 v1(17,82.5) 17,92.87 17.8,93.67 17.8,94.65 17,95.5 v1(17,97.5) 17,107.87 17.8,108.67 17.8,109.65 17,110.5 v1(17,112.5) 17,122.87 17.8,123.67 17.8,124.65 17,125.5 v1(17,127.5)
/H1-3: length 127
  Top w0.5: v1(18.6,124.1) 18.6,123.2 ; v1(18.6,19.1) 18.6,18.2 ; J300.7 v1(24.39,13.05) ; v1(18.6,79.1) 18.6,78.2 ; v1(18.6,34.1) 18.6,33.2 ; v1(18.6,49.1) 18.6,48.2 ; v1(18.6,64.1) 18.6,63.2 ; v1(18.6,109.1) 18.6,108.2 ; v1(18.6,94.1) 18.6,93.2
  In1.Cu w0.25: v1(18.6,19.1) 18.6,17.45 21.51,14.53 22.91,14.53 v1(24.39,13.05)
  In1.Cu w0.5: v1(18.6,124.1) 18.6,122.3 19.4,121.5 19.4,112.1 18.6,111.3 v1(18.6,109.1) 18.6,107.3 19.4,106.5 19.4,97.1 18.6,96.3 v1(18.6,94.1) 18.6,92.3 19.4,91.5 19.4,82.1 18.6,81.3 v1(18.6,79.1) 18.6,77.3 19.4,76.5 19.4,67.1 18.6,66.3 v1(18.6,64.1) 18.6,62.3 19.4,61.5 19.4,52.1 18.6,51.3 v1(18.6,49.1) 18.6,47.3 19.4,46.5 ; v1(18.6,19.1) 18.6,21.3 19.4,22.1 19.4,31.5 18.6,32.3 v1(18.6,34.1) 18.6,36.3 19.4,37.1 19.4,46.5
/H1-4: length 136.4
  Top w0.5: v1(18.6,22.5) 18.6,21.6 ; J300.8 v1(24.39,7.49) ; v1(18.6,112.5) 18.6,111.6 ; v1(18.6,97.5) 18.6,96.6 ; v1(18.6,82.5) 18.6,81.6 ; v1(18.6,127.5) 18.6,126.6 ; v1(18.6,52.5) 18.6,51.6 ; v1(18.6,67.5) 18.6,66.6 ; v1(18.6,37.5) 18.6,36.6
  In3.Cu w0.25: v1(24.39,7.49) 23.76,8.13 23.76,11.81 ; 23.76,11.81 23.76,13.03 23.7,13.08 ; 23.76,11.81 23.76,13.3 20.04,17.02 20.04,17.98 19.18,18.85 19.18,19.38 18.6,19.95 v1(18.6,22.5)
  In3.Cu w0.5: v1(18.6,22.5) 18.6,32.87 19.4,33.67 19.4,34.65 18.6,35.5 v1(18.6,37.5) 18.6,47.87 19.4,48.67 19.4,49.65 18.6,50.5 v1(18.6,52.5) 18.6,62.87 19.4,63.67 19.4,64.65 18.6,65.5 v1(18.6,67.5) 18.6,77.87 19.4,78.67 19.4,79.65 18.6,80.5 v1(18.6,82.5) 18.6,92.87 19.4,93.67 19.4,94.65 18.6,95.5 v1(18.6,97.5) 18.6,107.87 19.4,108.67 19.4,109.65 18.6,110.5 v1(18.6,112.5) 18.6,122.87 19.4,123.67 19.4,124.65 18.6,125.5 v1(18.6,127.5)
/H1-5: length 126.7
  Top w0.5: v1(20.2,124.1) 20.2,123.2 ; v1(20.2,19.1) 20.2,18.2 ; v1(20.2,49.1) 20.2,48.2 ; v1(20.2,94.1) 20.2,93.2 ; v1(20.2,79.1) 20.2,78.2 ; v1(20.2,109.1) 20.2,108.2 ; v1(20.2,64.1) 20.2,63.2 ; v1(20.2,34.1) 20.2,33.2 ; J300.9 v1(25.67,13.08)
  In1.Cu w0.25: v1(25.67,13.08) 23.63,15.11 22.51,15.11 20.2,17.42 v1(20.2,19.1)
  In1.Cu w0.5: 21,46.5 20.2,47.3 v1(20.2,49.1) 20.2,51.3 21,52.1 21,61.5 20.2,62.3 v1(20.2,64.1) 20.2,66.3 21,67.1 21,76.5 20.2,77.3 v1(20.2,79.1) 20.2,81.3 21,82.1 21,91.5 20.2,92.3 v1(20.2,94.1) 20.2,96.3 21,97.1 21,106.5 20.2,107.3 v1(20.2,109.1) 20.2,111.3 21,112.1 21,121.5 20.2,122.3 v1(20.2,124.1) ; v1(20.2,19.1) 20.2,21.3 21,22.1 21,31.5 20.2,32.3 v1(20.2,34.1) 20.2,36.3 21,37.1 21,46.5
/H1-6: length 135.6
  Top w0.5: v1(20.2,22.5) 20.2,21.6 ; v1(20.2,67.5) 20.2,66.6 ; v1(20.2,52.5) 20.2,51.6 ; v1(20.2,112.5) 20.2,111.6 ; J300.10 v1(25.67,7.18) ; v1(20.2,37.5) 20.2,36.6 ; v1(20.2,82.5) 20.2,81.6 ; v1(20.2,97.5) 20.2,96.6 ; v1(20.2,127.5) 20.2,126.6
  In3.Cu w0.25: v1(20.2,22.5) 20.2,19.95 20.78,19.38 20.78,18.93 21.55,18.15 21.55,17.69 25.03,14.21 25.03,7.81 v1(25.67,7.18)
  In3.Cu w0.5: v1(20.2,22.5) 20.2,32.87 21,33.67 21,34.65 20.2,35.5 v1(20.2,37.5) 20.2,47.87 21,48.67 21,49.65 20.2,50.5 v1(20.2,52.5) 20.2,62.87 21,63.67 21,64.65 20.2,65.5 v1(20.2,67.5) 20.2,77.87 21,78.67 21,79.65 20.2,80.5 v1(20.2,82.5) 20.2,92.87 21,93.67 21,94.65 20.2,95.5 v1(20.2,97.5) 20.2,107.87 21,108.67 21,109.65 20.2,110.5 v1(20.2,112.5) 20.2,122.87 21,123.67 21,124.65 20.2,125.5 v1(20.2,127.5)
/H1-7: length 126.6
  Top w0.5: v1(21.8,124.1) 21.8,123.2 ; v1(21.8,19.1) 21.8,18.2 ; v1(21.8,34.1) 21.8,33.2 ; J300.11 v1(26.94,13.05) ; v1(21.8,79.1) 21.8,78.2 ; v1(21.8,49.1) 21.8,48.2 ; v1(21.8,94.1) 21.8,93.2 ; v1(21.8,64.1) 21.8,63.2 ; v1(21.8,109.1) 21.8,108.2
  In1.Cu w0.25: v1(26.94,13.05) 24.42,15.57 23.21,15.57 21.8,16.98 v1(21.8,19.1)
  In1.Cu w0.5: 22.6,46.5 22.6,37.1 21.8,36.3 v1(21.8,34.1) 21.8,32.3 22.6,31.5 22.6,22.1 21.8,21.3 v1(21.8,19.1) ; v1(21.8,124.1) 21.8,122.3 22.6,121.5 22.6,112.1 21.8,111.3 v1(21.8,109.1) 21.8,107.3 22.6,106.5 22.6,97.1 21.8,96.3 v1(21.8,94.1) 21.8,92.3 22.6,91.5 22.6,82.1 21.8,81.3 v1(21.8,79.1) 21.8,77.3 22.6,76.5 22.6,67.1 21.8,66.3 v1(21.8,64.1) 21.8,62.3 22.6,61.5 22.6,52.1 21.8,51.3 v1(21.8,49.1) 21.8,47.3 22.6,46.5
/H1-8: length 134.8
  Top w0.5: v1(21.8,22.5) 21.8,21.6 ; J300.12 v1(26.94,7.49) ; v1(21.8,52.5) 21.8,51.6 ; v1(21.8,82.5) 21.8,81.6 ; v1(21.8,37.5) 21.8,36.6 ; v1(21.8,97.5) 21.8,96.6 ; v1(21.8,127.5) 21.8,126.6 ; v1(21.8,67.5) 21.8,66.6 ; v1(21.8,112.5) 21.8,111.6
  In3.Cu w0.25: v1(26.94,7.49) 26.3,8.13 26.3,14.52 23.18,17.64 23.18,18.04 22.38,18.84 22.38,19.38 21.8,19.95 v1(21.8,22.5)
  In3.Cu w0.5: v1(21.8,22.5) 21.8,32.87 22.6,33.67 22.6,34.65 21.8,35.5 v1(21.8,37.5) 21.8,47.87 22.6,48.67 22.6,49.65 21.8,50.5 v1(21.8,52.5) 21.8,62.87 22.6,63.67 22.6,64.65 21.8,65.5 v1(21.8,67.5) 21.8,77.87 22.6,78.67 22.6,79.65 21.8,80.5 v1(21.8,82.5) 21.8,92.87 22.6,93.67 22.6,94.65 21.8,95.5 v1(21.8,97.5) 21.8,107.87 22.6,108.67 22.6,109.65 21.8,110.5 v1(21.8,112.5) 21.8,122.87 22.6,123.67 22.6,124.65 21.8,125.5 v1(21.8,127.5)
/H1-9: length 126.2
  Top w0.5: v1(23.4,124.1) 23.4,123.2 ; v1(23.4,19.1) 23.4,18.2 ; v1(23.4,64.1) 23.4,63.2 ; v1(23.4,34.1) 23.4,33.2 ; v1(23.4,109.1) 23.4,108.2 ; v1(23.4,94.1) 23.4,93.2 ; v1(23.4,79.1) 23.4,78.2 ; J300.13 v1(28.2,13.08) ; v1(23.4,49.1) 23.4,48.2
  In1.Cu w0.25: v1(23.4,19.1) 23.4,17.12 24.5,16.02 25.27,16.02 v1(28.2,13.08)
  In1.Cu w0.5: v1(23.4,124.1) 23.4,121.77 24.2,120.97 24.2,112.1 23.4,111.3 v1(23.4,109.1) 23.4,106.79 24.2,105.99 24.2,97.1 23.4,96.3 v1(23.4,94.1) 23.4,91.62 24.2,90.82 24.2,82.1 23.4,81.3 v1(23.4,79.1) 23.4,76.6 24.2,75.8 24.2,67.1 23.4,66.3 v1(23.4,64.1) 23.4,61.59 24.2,60.79 24.2,52.1 23.4,51.3 v1(23.4,49.1) 23.4,47.3 24.2,46.5 ; 24.2,46.5 24.2,37.1 23.4,36.3 v1(23.4,34.1) 23.4,31.67 24.2,30.87 24.2,22.1 23.4,21.3 v1(23.4,19.1)
/H1-10: length 135.3
  Top w0.5: v1(23.4,22.5) 23.4,21.6 ; v1(23.4,82.5) 23.4,81.6 ; v1(23.4,52.5) 23.4,51.6 ; v1(23.4,67.5) 23.4,66.6 ; v1(23.4,97.5) 23.4,96.6 ; J300.14 v1(28.2,7.18) ; v1(23.4,112.5) 23.4,111.6 ; v1(23.4,127.5) 23.4,126.6 ; v1(23.4,37.5) 23.4,36.6
  In3.Cu w0.25: v1(28.2,7.18) 27.57,7.81 27.57,14.87 24.75,17.69 24.75,18.12 23.98,18.9 23.98,19.38 23.4,19.95 v1(23.4,22.5)
  In3.Cu w0.5: v1(23.4,22.5) 23.4,32.87 24.2,33.67 24.2,34.65 23.4,35.5 v1(23.4,37.5) 23.4,47.87 24.2,48.67 24.2,49.65 23.4,50.5 v1(23.4,52.5) 23.4,62.87 24.2,63.67 24.2,64.65 23.4,65.5 v1(23.4,67.5) 23.4,77.87 24.2,78.67 24.2,79.65 23.4,80.5 v1(23.4,82.5) 23.4,92.87 24.2,93.67 24.2,94.65 23.4,95.5 v1(23.4,97.5) 23.4,107.87 24.2,108.67 24.2,109.65 23.4,110.5 v1(23.4,112.5) 23.4,122.87 24.2,123.67 24.2,124.65 23.4,125.5 v1(23.4,127.5)
